# Allegro board buddy_lay_rev1.brd (continued)
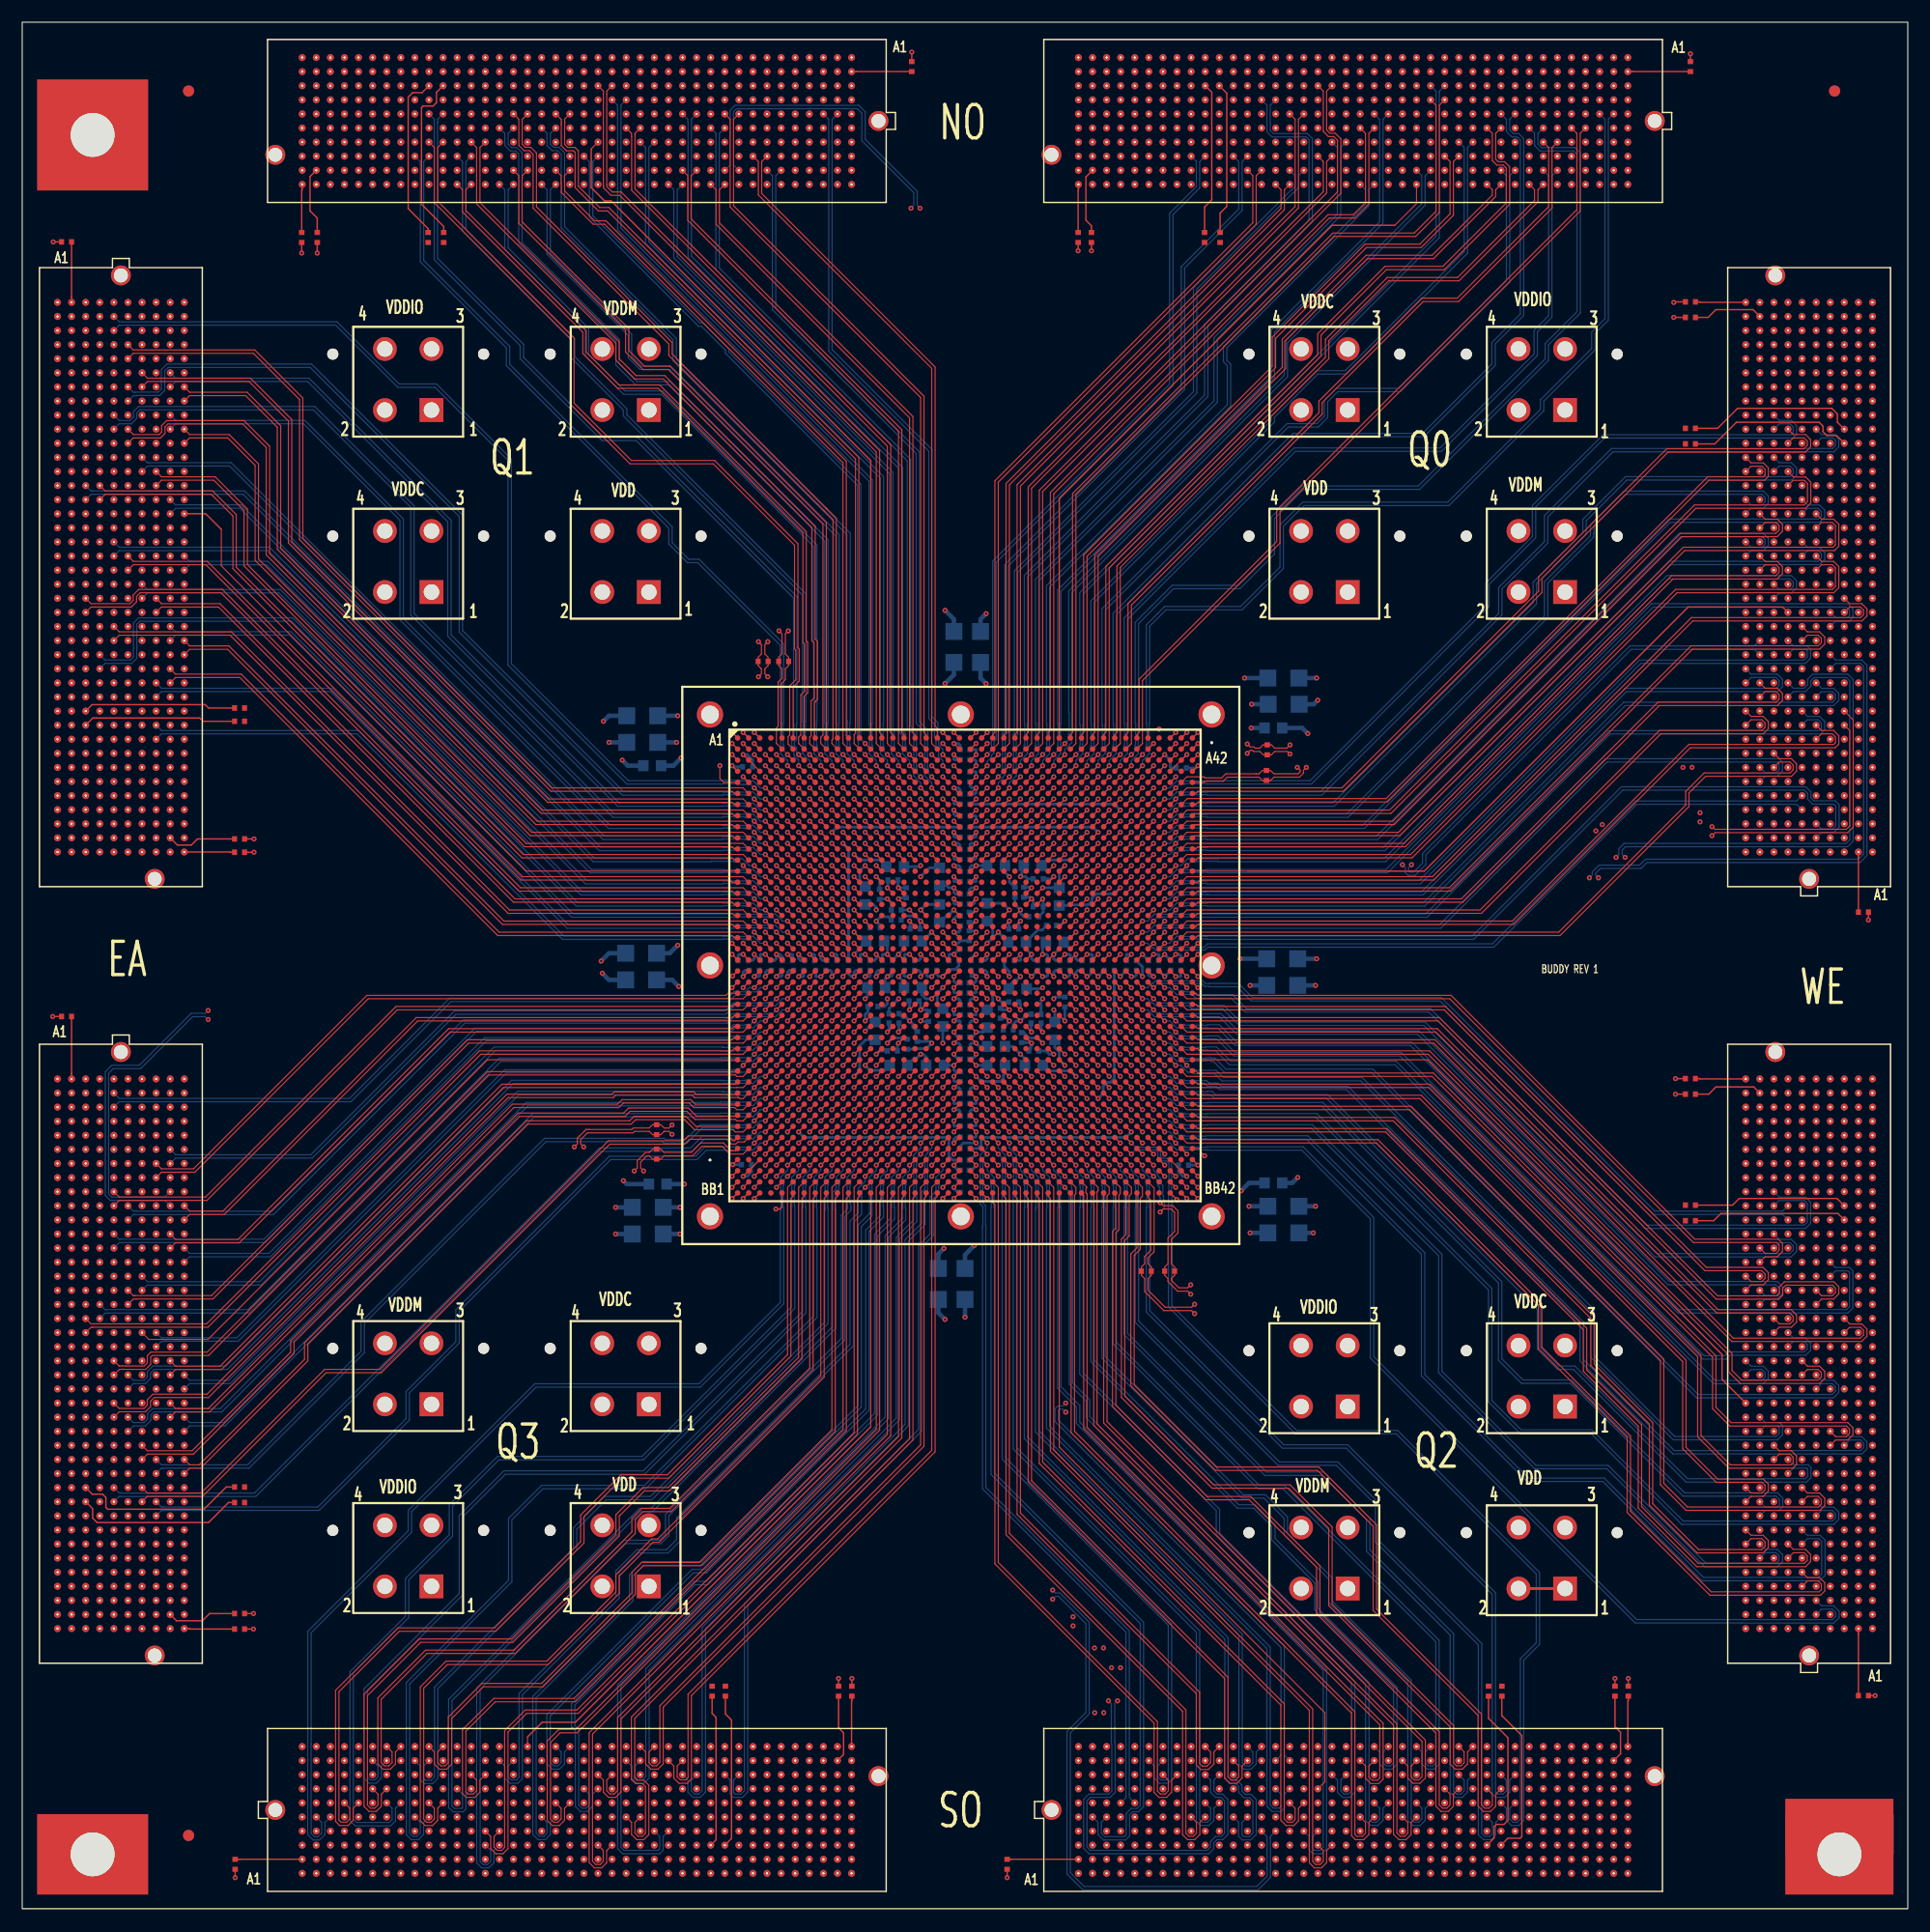
[diagram p0: board, top side]
## Routing (per net, layer and track width the routed paths; a pad name or vN(x,y) marks a point on that pad's centre or on a via; arc(x,y) is an arc through that point) (continued)
WE_N56: length 67.3
  TOP w0.127: U1.W36 v1(100,88)
  SIGNAL_L12 w0.081: J3.K8 155.87,103.63 156.98,103.63 157.44,103.17 157.44,102.51 156.99,102.06 143.33,102.06 129.61,88.33 105.34,88.33 105.3,88.37 100.85,88.37 100.84,88.37 100.8,88.37 100.77,88.33 100.33,88.33 v1(100,88)
WE_N57: length 66.1
  TOP w0.127: U1.W38 v1(102,88)
  BOTTOM w0.102: v1(102,88) 102.32,88.32 102.78,88.32 102.84,88.38 105.49,88.38 105.52,88.35 127.89,88.35 142.87,103.33 158.25,103.33 158.39,103.19 158.39,102.65 158.1,102.36 157.14,102.36 J3.J7
WE_N58: length 64.5
  TOP w0.102: U1.W42 105.8,87.5 106,87.7 138.65,87.7 150.27,99.32 150.27,100.55 151.77,102.04 159.51,102.04 159.97,102.51 159.97,103.17 159.5,103.63 158.41,103.63 J3.H8
WE_N59: length 86.8
  TOP w0.127: U1.Y32 v1(96,87)
  SIGNAL_L12 w0.081: v1(96,87) 96.36,87.36 96.66,87.36 96.68,87.37 98.15,87.37 98.37,87.15 98.37,86.7 98.7,86.37 106.26,86.37 106.78,86.89 107.04,86.89 107.08,86.86 107.98,86.86 108.26,86.57 134.41,86.57 147.33,99.49 164.58,99.49 165.06,99.98 165.06,103.17 164.6,103.63 161.41,103.63 160.95,103.17 160.95,102.68 160.64,102.38 159.66,102.38 J3.G7
WE_N60: length 76
  TOP w0.127: U1.Y34 v1(98,87)
  SIGNAL_L10 w0.081: v1(98,87) 97.67,87.33 97.67,87.79 97.63,87.83 97.63,88.2 97.8,88.37 105.64,88.37 105.68,88.34 139.9,88.34 153.62,102.06 162.06,102.06 162.52,102.52 162.52,103.17 162.05,103.65 160.93,103.65 J3.F8
WE_N61: length 73.6
  TOP w0.127: U1.Y36 v1(100,87)
  SIGNAL_L12 w0.081: 161.74,102.85 162.2,102.38 163.32,102.38 163.79,101.9 163.79,101.25 163.33,100.79 144.9,100.79 141.5,97.39 141.5,97.23 131.75,87.47 105.62,87.47 105.48,87.33 105.34,87.33 105.3,87.37 100.85,87.37 100.84,87.37 100.8,87.37 100.77,87.33 100.33,87.33 v1(100,87)
WE_N62: length 65
  TOP w0.127: U1.Y38 v1(102,87)
  BOTTOM w0.102: v1(102,87) 102.35,86.65 102.7,86.65 102.73,86.62 106.53,86.62 106.87,86.95 132.55,86.95 145.42,99.82 159.98,99.82 J3.F5
WE_N63: length 70.7
  TOP w0.127: U1.Y40 v1(104,87)
  BOTTOM w0.102: v1(104,87) 104.32,87.32 104.78,87.32 104.84,87.38 106.8,87.38 106.83,87.35 130.86,87.35 144.31,100.8 160.67,100.8 160.96,100.51 160.96,99.99 161.41,99.53 163.33,99.53 163.5,99.36 163.5,97.6 163.2,97.29 162.21,97.29 161.74,97.77
WE_N64: length 73.7
  TOP w0.127: U1.AC39 v1(103,83)
  BOTTOM w0.102: v1(103,83) 103.46,83 104.09,82.37 104.54,82.37 104.56,82.38 105.46,82.38 105.8,82.05 109,82.05 110.25,80.8 126.82,80.8 146.32,61.3 160.78,61.3 161.24,61.75 161.24,63.66 160.79,64.12 158.42,64.12 J4.H32
WE_N65: length 68
  TOP w0.127: U1.AC37 v1(101,83)
  BOTTOM w0.102: J4.G31 158.71,62.86 147.19,62.86 127.95,82.1 110.93,82.1 109.65,83.38 107.05,83.38 107.02,83.35 106.7,83.35 106.43,83.62 102.67,83.62 102.65,83.64 102.21,83.64 101.95,83.38 101.84,83.38 101.46,83 v1(101,83)
WE_N66: length 86.8
  TOP w0.127: U1.AC35 v1(99,83)
  SIGNAL_L12 w0.081: J4.F32 160.71,64.36 160.72,64.36 160.93,64.15 163.31,64.15 163.79,63.67 163.79,60.48 163.33,60.02 159.03,60.02 158.74,59.72 158.74,59.23 158.25,58.75 155.09,58.75 154.94,58.6 146.85,58.6 140.58,64.87 140.58,69.95 128.11,82.42 109.19,82.42 108.89,82.12 105.76,82.12 105.55,82.34 105.39,82.34 105.35,82.37 100.8,82.37 100.77,82.34 100.19,82.34 99.9,82.63 99.82,82.63 99.45,83 v1(99,83)
WE_N67: length 78.9
  TOP w0.127: U1.AC33 v1(97,83)
  SIGNAL_L10 w0.081: 161.74,63.34 162.19,62.89 163.19,62.89 163.46,63.15 163.46,64.8 163.19,65.07 146.66,65.07 130.4,81.33 105.73,81.33 105.69,81.37 97.74,81.37 97.37,81.74 97.37,82.37 97.33,82.41 97.33,82.67 v1(97,83)
WE_N68: length 79.9
  TOP w0.127: U1.AC31 v1(95,83)
  SIGNAL_L12 w0.081: v1(95,83) 95.48,83 95.85,82.63 95.9,82.63 96.22,82.31 96.66,82.31 96.73,82.37 98.26,82.37 98.63,82.74 98.63,83.2 98.8,83.37 106.23,83.37 106.66,82.94 107.62,82.94 107.66,82.91 108.96,82.91 110.15,84.1 128.33,84.1 142,70.43 142,64.63 145.37,61.26 156.84,61.26 157.11,60.99 157.11,60.61 156.83,60.33 155.85,60.33 J4.K29
WE_N69: length 65.8
  TOP w0.102: U1.AD41 105,82 128.7,82 150.67,60.03 158.19,60.03 158.39,59.83 158.39,59.34 158.1,59.05 157.14,59.05 J4.J28
WE_N70: length 72.6
  TOP w0.127: U1.AD37 v1(101,82)
  BOTTOM w0.102: J4.H29 158.41,60.32 159.5,60.32 159.97,59.85 159.97,59.21 159.49,58.73 147.22,58.73 126.35,79.6 109.72,79.6 108.22,81.1 105.44,81.1 105.38,81.15 105.38,81.16 105.16,81.38 102.19,81.38 101.95,81.62 101.84,81.62 101.46,82 v1(101,82)
WE_N71: length 79.3
  TOP w0.127: U1.AD35 v1(99,82)
  SIGNAL_L12 w0.081: J4.G28 159.66,59.06 160.94,59.06 161.28,58.73 161.28,57.86 160.87,57.45 146.65,57.45 139.31,64.79 139.31,69.37 127.35,81.34 105.38,81.34 105.34,81.37 100.8,81.37 100.77,81.34 100.19,81.34 99.9,81.63 99.82,81.63 99.45,82 v1(99,82)
WE_N72: length 77.3
  TOP w0.127: U1.AD33 v1(97,82)
  SIGNAL_L3 w0.081: J4.F29 160.93,60.33 162.03,60.33 162.22,60.52 162.22,60.98 161.91,61.29 149.03,61.29 128.97,81.35 105.64,81.35 105.57,81.27 105.26,81.27 105.16,81.37 104.63,81.37 104.62,81.38 104.27,81.38 104.26,81.37 103.74,81.37 103.73,81.38 103.27,81.38 103.26,81.37 102.74,81.37 102.73,81.38 102.27,81.38 102.26,81.37 101.74,81.37 101.73,81.38 101.27,81.38 101.26,81.37 100.74,81.37 100.73,81.38 100.27,81.38 100.26,81.37 99.74,81.37 99.73,81.38 99.27,81.38 99.26,81.37 98.81,81.37 98.78,81.34 98.19,81.34 97.93,81.6 97.88,81.6 97.85,81.63 97.85,81.63 97.63,81.85 97.63,81.85 97.48,82 v1(97,82)
WE_N73: length 100.2
  TOP w0.127: U1.AD31 v1(95,82)
  SIGNAL_L3 w0.081: 161.74,59.53 161.26,59.06 160.14,59.06 159.68,58.59 159.68,57.94 160.14,57.48 163.33,57.48 163.79,57.94 163.79,76.1 155.8,84.1 109.71,84.1 109.67,84.06 109.36,84.06 108.65,83.35 106.8,83.35 106.52,83.63 95.74,83.63 95.37,83.26 95.37,82.55 95.33,82.51 95.33,82.33 v1(95,82)
WE_N74: length 65.1
  TOP w0.102: U1.AE41 105,81 128.2,81 151.71,57.49 156.82,57.49 157.12,57.19 157.12,56.8 156.83,56.51 155.87,56.51 J4.K26
WE_N75: length 70.9
  TOP w0.127: U1.AE37 v1(101,81)
  BOTTOM w0.102: J4.J25 157.14,55.24 158.1,55.24 158.39,55.53 158.39,55.92 158.09,56.22 148.38,56.22 125.8,78.8 109.5,78.8 107.95,80.35 105.52,80.35 105.49,80.38 102.56,80.38 102.54,80.37 102.09,80.37 101.46,81 v1(101,81)
WE_N76: length 78.2
  TOP w0.127: U1.AE35 v1(99,81)
  SIGNAL_L12 w0.081: v1(99,81) 99.45,81 99.82,80.63 99.9,80.63 100.19,80.34 100.77,80.34 100.8,80.37 105.3,80.37 105.34,80.34 126.45,80.34 138.12,68.67 138.12,64.73 147.94,54.91 159.66,54.91 159.98,55.24 159.98,56.05 159.51,56.52 158.39,56.52 J4.H26
WE_N77: length 80.1
  TOP w0.127: U1.AE33 v1(97,81)
  SIGNAL_L3 w0.081: v1(97,81) 97.48,81 97.63,80.85 97.63,80.85 97.85,80.63 97.85,80.63 97.88,80.6 97.93,80.6 98.19,80.34 98.78,80.34 98.81,80.37 100.11,80.37 100.11,80.37 100.15,80.37 100.23,80.3 100.33,80.3 100.33,80.3 100.6,80.3 100.67,80.37 100.72,80.37 100.72,80.37 102.29,80.37 102.32,80.35 102.83,80.35 102.85,80.37 103,80.37 103,80.37 103.47,80.37 103.48,80.38 103.73,80.38 103.74,80.37 104.26,80.37 104.27,80.38 104.73,80.38 104.74,80.37 105.43,80.37 105.46,80.35 128.16,80.35 128.66,79.85 128.98,79.85 153.9,54.92 158.1,54.92 158.38,54.64 158.38,54.02 158.73,53.67 160.79,53.67 161.25,54.13 161.25,54.78 160.78,55.25 159.66,55.25 J4.G25
WE_N78: length 80.2
  TOP w0.127: U1.AE31 v1(95,81)
  SIGNAL_L5 w0.081: v1(95,81) 95.48,81 96.13,80.35 96.66,80.35 96.68,80.37 105.29,80.37 105.33,80.34 129.3,80.34 152.18,57.45 161.92,57.45 162.19,57.18 162.19,56.8 161.91,56.52 160.93,56.52 J4.F26
WE_N79: length 73
  TOP w0.102: 161.74,55.72 162.22,55.24 163.18,55.24 163.47,55.53 163.47,55.92 163.2,56.19 159,56.19 158.73,55.92 158.73,55.3 158.36,54.92 152.73,54.92 127.65,80 105,80 U1.AF41
WE_N80: length 79.6
  TOP w0.127: U1.AF39 v1(103,80)
  BOTTOM w0.102: v1(103,80) 103.46,80 104.09,79.37 104.54,79.37 104.56,79.38 106.87,79.38 106.9,79.35 107.8,79.35 109.35,77.8 125.15,77.8 149.27,53.68 164.6,53.68 165.05,54.13 165.05,57.47 164.74,57.78 163.49,57.78 J4.D27
WE_N81: length 87.2
  TOP w0.127: U1.AF35 v1(99,80)
  SIGNAL_L12 w0.081: v1(99,80) 99.45,80 99.82,79.63 99.9,79.63 100.19,79.34 100.77,79.34 100.8,79.37 105.3,79.37 105.34,79.34 125.79,79.34 136.91,68.22 136.91,64.44 147.71,53.64 166.01,53.64 166.36,53.99 166.36,57.36 165.92,57.79 164.74,57.79 J4.C27
WE_N82: length 74.3
  TOP w0.127: U1.AF33 v1(97,80)
  SIGNAL_L3 w0.081: J4.K23 155.84,52.73 156.84,52.73 157.11,52.99 157.11,53.37 156.82,53.67 152.87,53.67 127.2,79.33 105.38,79.33 105.35,79.37 98.82,79.37 98.78,79.33 98.2,79.33 97.93,79.6 97.88,79.6 97.85,79.63 97.85,79.63 97.63,79.85 97.63,79.85 97.48,80 v1(97,80)
WE_N83: length 78.1
  TOP w0.127: U1.AF31 v1(95,80)
  SIGNAL_L5 w0.081: J4.J22 157.12,51.44 157.24,51.44 157.25,51.46 158.11,51.46 158.38,51.72 158.38,52.1 158.09,52.4 153.9,52.4 126.96,79.34 105.33,79.34 105.29,79.37 96.68,79.37 96.66,79.35 96.13,79.35 95.48,80 v1(95,80)
WE_N84: length 68.4
  TOP w0.102: J4.H23 158.41,52.7 159.37,52.7 159.66,52.99 159.66,53.38 159.36,53.68 152.77,53.68 127.45,79 105,79 U1.AG41
WE_N85: length 74.6
  TOP w0.127: U1.AG39 v1(103,79)
  BOTTOM w0.102: J4.G22 159.68,51.43 160.77,51.43 161.24,50.96 161.24,50.32 160.79,49.87 153.97,49.87 153.62,49.52 151.53,49.52 124.2,76.85 109.22,76.85 107.72,78.35 106.83,78.35 106.8,78.38 104.56,78.38 104.54,78.37 104.09,78.37 103.46,79 v1(103,79)
WE_N86: length 81.5
  TOP w0.127: U1.AG35 v1(99,79)
  SIGNAL_L12 w0.081: J4.F23 160.93,52.71 162.05,52.71 162.52,52.24 162.52,51.59 162.06,51.12 148.01,51.12 135.81,63.32 135.81,67.43 124.9,78.34 105.34,78.34 105.3,78.37 100.8,78.37 100.77,78.34 100.19,78.34 99.9,78.63 99.82,78.63 99.45,79 v1(99,79)
WE_N87: length 82.9
  TOP w0.127: U1.AG33 v1(97,79)
  SIGNAL_L3 w0.081: 161.74,51.91 162.19,51.46 163.31,51.46 163.79,50.97 163.79,50.32 163.31,49.83 153.57,49.83 125.07,78.33 105.42,78.33 105.38,78.37 98.82,78.37 98.78,78.33 98.2,78.33 97.93,78.6 97.88,78.6 97.85,78.63 97.85,78.63 97.63,78.85 97.63,78.85 97.48,79 v1(97,79)
WE_N88: length 84.6
  TOP w0.127: U1.AG31 v1(95,79)
  SIGNAL_L10 w0.081: v1(95,79) 95.48,79 95.85,78.63 95.9,78.63 96.21,78.32 96.8,78.32 96.85,78.37 105.37,78.37 105.4,78.33 126.5,78.33 153.73,51.1 164.46,51.1 164.73,50.83 164.73,50.45 164.45,50.17 163.47,50.17 J4.D21
WE_N89: length 76.4
  TOP w0.102: U1.AH41 105,78 127.25,78 154.14,51.11 165.84,51.11 166.32,51.59 166.32,52.23 165.86,52.69 164.77,52.69 J4.C23
WE_N90: length 71.2
  TOP w0.127: U1.AH39 v1(103,78)
  BOTTOM w0.102: J4.K20 155.87,48.89 156.96,48.89 157.43,48.42 157.43,47.78 156.95,47.3 152.51,47.3 123.76,76.05 108.85,76.05 107.55,77.35 106.83,77.35 106.83,77.38 104.56,77.38 104.54,77.37 104.09,77.37 103.46,78 v1(103,78)
WE_N91: length 76.5
  TOP w0.127: U1.AH37 v1(101,78)
  SIGNAL_L12 w0.081: v1(101,78) 101.45,78 101.82,77.63 101.9,77.63 102.19,77.34 102.77,77.34 102.8,77.37 107.3,77.37 107.34,77.34 124.44,77.34 134.95,66.83 134.95,60.75 142.48,53.22 143.78,53.22 148.44,48.56 158.11,48.56 158.4,48.28 158.4,47.85 158.18,47.63 157.12,47.63 J4.J19
WE_N92: length 79.7
  TOP w0.127: U1.AH33 v1(97,78)
  SIGNAL_L3 w0.081: v1(97,78) 97.48,78 97.63,77.85 97.63,77.85 97.85,77.63 97.85,77.63 97.88,77.6 97.93,77.6 98.2,77.33 98.78,77.33 98.82,77.37 105.35,77.37 105.38,77.33 123.89,77.33 153.9,47.32 159.52,47.32 159.98,47.78 159.98,48.43 159.52,48.89 158.41,48.89 J4.H20
WE_N93: length 81.4
  TOP w0.127: U1.AH31 v1(95,78)
  SIGNAL_L5 w0.081: v1(95,78) 95.48,78 96.13,77.35 96.66,77.35 96.68,77.37 105.29,77.37 105.33,77.34 126.31,77.34 155.06,48.59 160.63,48.59 160.92,48.29 160.92,47.91 160.63,47.62 159.93,47.62 159.92,47.63 159.66,47.63 J4.G19
WE_N94: length 74.7
  TOP w0.102: U1.AJ41 105,77 126.75,77 153.85,49.9 153.85,48.38 154.89,47.33 162.06,47.33 162.51,47.78 162.51,48.42 162.04,48.89 160.95,48.89 J4.F20
WE_N95: length 77.7
  TOP w0.127: U1.AJ39 v1(103,77)
  BOTTOM w0.102: v1(103,77) 103.46,77 104.09,76.37 104.54,76.37 104.56,76.38 106.8,76.38 106.87,76.45 107.07,76.45 107.17,76.35 107.4,76.35 108.4,75.35 121.65,75.35 150.97,46.03 163.3,46.03 163.78,46.51 163.78,47.15 163.31,47.62 162.22,47.62 161.74,48.1
WE_N96: length 86.2
  TOP w0.127: U1.AJ37 v1(101,77)
  SIGNAL_L12 w0.081: v1(101,77) 101.45,77 101.82,76.63 101.9,76.63 102.19,76.34 102.77,76.34 102.8,76.37 107.3,76.37 107.34,76.34 123.78,76.34 133.95,66.17 133.95,59.05 141,52 141,49.9 144.85,46.05 160.79,46.05 161.25,46.51 161.25,47 161.55,47.29 164.62,47.29 164.73,47.18 164.73,46.49 164.6,46.36 163.47,46.36 J4.D18
WE_N97: length 87.2
  TOP w0.127: U1.AJ32 v1(96,77)
  SIGNAL_L3 w0.081: J4.C19 164.74,47.63 165.86,47.63 166.35,47.14 166.35,46.52 165.85,46.02 153.64,46.02 123.33,76.33 105.38,76.33 105.34,76.37 97.82,76.37 97.78,76.33 97.2,76.33 96.93,76.6 96.88,76.6 96.85,76.63 96.85,76.63 96.63,76.85 96.63,76.85 96.48,77 v1(96,77)
WE_N98: length 64
  TOP w0.102: U1.AK42 126.7,76.5
  TOP w0.127: 126.7,76.5 153.25,49.95 153.25,47.7 J4.K17
WE_N99: length 75.2
  TOP w0.127: U1.AK40 v1(104,76)
  BOTTOM w0.102: J4.J16 157.14,43.81 158.42,43.81 158.7,43.53 158.7,42.71 158.25,42.25 148.86,42.25 141.4,49.71 141.4,53.88 120.67,74.6 108.15,74.6 107.5,75.25 105.69,75.25 105.56,75.37 105.09,75.37 104.46,76 v1(104,76)
WE_N100: length 81.7
  TOP w0.127: U1.AK38 v1(102,76)
  SIGNAL_L12 w0.081: v1(102,76) 102.45,76 102.82,75.63 102.9,75.63 103.19,75.34 103.77,75.34 103.8,75.37 108.3,75.37 108.34,75.34 123,75.34 133.07,65.27 133.07,57.23 136.96,53.34 136.96,50.7 139.66,48 140.85,48 145.37,43.48 159.5,43.48 159.98,43.97 159.98,44.62 159.51,45.09 158.39,45.09 J4.H17
WE_N101: length 78.9
  TOP w0.127: U1.AK36 v1(100,76)
  SIGNAL_L3 w0.081: J4.G16 159.68,43.81 160.63,43.81 160.92,44.1 160.92,44.48 160.64,44.77 150.36,44.77 148.95,46.18 148.95,49.2 122.82,75.33 108.38,75.33 108.35,75.37 101.82,75.37 101.78,75.33 101.2,75.33 100.93,75.6 100.88,75.6 100.85,75.63 100.85,75.63 100.63,75.85 100.63,75.85 100.48,76 v1(100,76)
WE_N102: length 83.2
  TOP w0.127: U1.AK33 v1(97,76)
  SIGNAL_L10 w0.081: J4.F17 160.93,45.09 162.05,45.09 162.52,44.62 162.52,43.97 162.06,43.5 153.9,43.5 123.06,74.34 105.64,74.34 105.6,74.37 98.74,74.37 98.37,74.74 98.37,75.15 97.97,75.55 97.93,75.55 97.48,76 v1(97,76)
WE_N103: length 84.7
  TOP w0.127: U1.AK31 v1(95,76)
  SIGNAL_L5 w0.081: v1(95,76) 95.48,76 96.13,75.35 96.66,75.35 96.68,75.37 105.29,75.37 105.33,75.34 122.26,75.34 143.53,54.07 152.82,44.78 163.17,44.78 163.46,44.48 163.46,44.1 163.18,43.82 162.2,43.82 161.74,44.29
WE_N104: length 78.8
  TOP w0.102: J4.D15 163.49,42.54 164.45,42.54 164.74,42.83 164.74,43.22 164.47,43.5 153.95,43.5 152.4,45.05 152.4,49.7 127.1,75 105,75 U1.AL41
WE_N105: length 83.4
  TOP w0.127: U1.AL39 v1(103,75)
  BOTTOM w0.102: J4.C15 164.76,42.54 165.85,42.54 166.32,42.07 166.32,41.43 165.87,40.98 148.82,40.98 140.45,49.35 140.45,52.75 119.38,73.82 107.95,73.82 107.67,74.1 106.87,74.1 106.59,74.38 104.56,74.38 104.54,74.37 104.09,74.37 103.46,75 v1(103,75)
WE_N106: length 78.2
  TOP w0.127: U1.AL37 v1(101,75)
  SIGNAL_L12 w0.081: v1(101,75) 101.45,75 101.82,74.63 101.9,74.63 102.19,74.34 102.77,74.34 102.8,74.37 107.3,74.37 107.34,74.34 120.41,74.34 131.92,62.83 131.92,55.68 136.17,51.43 136.17,49.61 138.88,46.9 140.08,46.9 144.76,42.22 156.84,42.22 157.11,41.94 157.11,41.56 156.83,41.28 155.85,41.28 J4.K14
WE_N107: length 79.7
  TOP w0.127: U1.AL35 v1(99,75)
  SIGNAL_L3 w0.081: v1(99,75) 99.48,75 99.63,74.85 99.63,74.85 99.85,74.63 99.85,74.63 99.88,74.6 99.93,74.6 100.2,74.33 100.78,74.33 100.82,74.37 107.39,74.37 107.43,74.33 122.37,74.33 147.2,49.5 147.2,44.44 150.7,40.94 158.11,40.94 158.38,40.67 158.38,40.29 158.1,40.01 157.12,40.01 J4.J13
WE_N108: length 77.5
  TOP w0.102: U1.AM41 105,74 126.8,74 151.05,49.75 151.05,42.52 153.87,39.7 159.63,39.7 159.97,40.04 159.97,40.8 159.5,41.27 158.41,41.27 J4.H14
WE_N109: length 79.3
  TOP w0.127: U1.AM39 v1(103,74)
  BOTTOM w0.102: J4.G13 159.68,40 161.03,40 161.27,39.76 161.27,38.84 160.87,38.44 155.06,38.44 155.06,38.45 150,38.45 139.85,48.6 138.42,48.6 136.6,50.42 136.6,54.02 117.57,73.05 107.45,73.05 107.15,73.35 106.9,73.35 106.87,73.38 104.56,73.38 104.54,73.37 104.09,73.37 103.46,74 v1(103,74)
WE_N110: length 86.8
  TOP w0.127: U1.AM37 v1(101,74)
  SIGNAL_L12 w0.081: J4.F14 160.93,41.28 162.05,41.28 162.52,40.81 162.52,40.32 162.52,40.04 162.15,39.67 141.06,39.67 137.07,43.66 137.07,46.03 130.72,52.38 130.72,61.96 119.35,73.34 107.38,73.34 107.34,73.37 102.8,73.37 102.77,73.34 102.19,73.34 101.9,73.63 101.82,73.63 101.45,74 v1(101,74)
WE_N111: length 85.9
  TOP w0.127: U1.AM35 v1(99,74)
  SIGNAL_L3 w0.081: 161.74,40.48 162.2,40.01 163.34,40.01 163.82,39.54 163.82,38.85 163.37,38.4 151.51,38.4 141.35,48.56 141.35,52.32 120.34,73.33 107.38,73.33 107.35,73.37 100.82,73.37 100.78,73.33 100.2,73.33 99.93,73.6 99.88,73.6 99.85,73.63 99.85,73.63 99.63,73.85 99.63,73.85 99.48,74 v1(99,74)
WE_N112: length 74.3
  TOP w0.102: J4.K11 155.87,37.46 156.83,37.46 157.12,37.75 157.12,38.14 156.85,38.41 152.74,38.41 149.7,41.45 149.7,49.3 126,73 105,73 U1.AN41
WE_N113: length 77.8
  TOP w0.127: U1.AN39 v1(103,73)
  BOTTOM w0.102: J4.J10 157.14,36.19 158.26,36.19 158.42,36.35 158.42,36.88 158.13,37.17 149.75,37.17 139.57,47.35 135.17,47.35 133.1,49.42 133.1,56.39 117.14,72.35 107.1,72.35 107.07,72.38 106.93,72.38 106.9,72.35 106.83,72.35 106.8,72.38 104.56,72.38 104.54,72.37 104.09,72.37 103.46,73 v1(103,73)
WE_N114: length 84.1
  TOP w0.127: U1.AN37 v1(101,73)
  SIGNAL_L12 w0.081: J4.H11 158.39,37.47 159.11,37.47 159.12,37.49 159.38,37.49 159.65,37.75 159.65,38.13 159.37,38.42 138.38,38.42 128.02,48.78 128.02,62.06 117.75,72.34 110.36,72.34 110.29,72.41 107.45,72.41 107.41,72.37 102.8,72.37 102.77,72.34 102.19,72.34 101.9,72.63 101.82,72.63 101.45,73 v1(101,73)
WE_N115: length 84.7
  TOP w0.127: U1.AN35 v1(99,73)
  SIGNAL_L3 w0.081: J4.G10 159.66,36.2 160.78,36.2 161.25,35.73 161.25,35.06 160.79,34.59 152.56,34.59 136.6,50.55 136.6,54.7 118.97,72.33 107.38,72.33 107.35,72.37 100.82,72.37 100.78,72.33 100.2,72.33 99.93,72.6 99.88,72.6 99.85,72.63 99.85,72.63 99.63,72.85 99.63,72.85 99.48,73 v1(99,73)
WE_N116: length 83
  TOP w0.102: U1.AP41 105,72 125.1,72 147.7,49.4 147.7,38.21 150.01,35.9 162.08,35.9 162.51,36.33 162.51,36.99 162.04,37.46 160.95,37.46 J4.F11
WE_N117: length 86.1
  TOP w0.127: U1.AP39 v1(103,72)
  BOTTOM w0.102: 161.74,36.67 162.22,36.19 163.31,36.19 163.78,35.72 163.78,35.08 163.33,34.63 149.62,34.63 141.4,42.85 135.02,42.85 132.2,45.67 132.2,55.76 116.6,71.35 106.83,71.35 106.8,71.38 104.56,71.38 104.54,71.37 104.09,71.37 103.46,72 v1(103,72)
WE_N118: length 89.7
  TOP w0.127: U1.AP37 v1(101,72)
  SIGNAL_L12 w0.081: J4.D9 163.47,34.93 164.45,34.93 164.73,35.21 164.73,35.72 164.56,35.89 154.61,35.89 153.2,37.3 137.45,37.3 126.2,48.55 126.2,61.7 116.56,71.34 107.43,71.34 107.39,71.37 102.8,71.37 102.77,71.34 102.19,71.34 101.9,71.63 101.82,71.63 101.45,72 v1(101,72)
WE_N119: length 100.1
  TOP w0.127: U1.AP35 v1(99,72)
  SIGNAL_L12 w0.081: J4.C11 164.74,37.47 165.89,37.47 166.36,37.01 166.36,31.29 165.85,30.78 135.85,30.78 132.55,34.08 132.55,35.15 117.32,50.38 117.32,58.26 107.25,68.33 105.27,68.33 105.23,68.37 100.78,68.37 100.78,68.37 100.74,68.37 100.37,68.74 100.37,68.78 100.37,68.78 100.37,69.15 100.15,69.37 99.78,69.37 99.78,69.37 99.74,69.37 99.37,69.74 99.37,69.78 99.37,69.78 99.37,71.22 99.33,71.26 99.33,71.67 v1(99,72)
WE_N120: length 79.3
  TOP w0.102: U1.AR41 105,71 123.6,71 141.43,53.17 141.43,48.94 146.7,43.67 146.7,36.37 151.01,32.06 156.96,32.06 157.43,32.53 157.43,33.18 156.96,33.65 155.87,33.65 J4.K8
WE_N121: length 82.5
  TOP w0.127: U1.AR39 v1(103,71)
  BOTTOM w0.102: v1(103,71) 103.46,71 104.09,70.37 104.54,70.37 104.56,70.38 104.67,70.38 104.74,70.31 106.58,70.31 106.96,70.31 106.99,70.35 116.19,70.35 127.7,58.84 127.7,48.3 136.36,39.64 142.86,39.64 151.68,30.82 158.25,30.82 158.7,31.27 158.7,31.91 158.23,32.38 157.14,32.38 J4.J7
WE_N122: length 84.6
  TOP w0.127: U1.AR37 v1(101,71)
  SIGNAL_L3 w0.081: v1(101,71) 101.48,71 101.63,70.85 101.63,70.85 101.85,70.63 101.85,70.63 101.88,70.6 101.93,70.6 102.2,70.33 102.78,70.33 102.82,70.37 109.38,70.37 109.41,70.33 116.47,70.33 132.42,54.38 132.42,45.08 140.83,36.67 146.03,36.67 150.62,32.08 159.54,32.08 159.98,32.52 159.98,33.19 159.51,33.66 158.39,33.66 J4.H8
WE_N123: length 83
  TOP w0.102: U1.AT41 105,70 122.92,70 140.75,52.17 140.75,48.42 145.7,43.47 145.7,36.1 150.98,30.82 160.79,30.82 161.24,31.27 161.24,31.91 160.77,32.38 159.68,32.38 J4.G7
WE_N124: length 89.3
  TOP w0.127: U1.AT39 v1(103,70)
  BOTTOM w0.102: J4.F8 160.95,33.65 162.1,33.65 162.54,33.21 162.54,30.03 162.05,29.55 151.45,29.55 142.5,38.5 135.67,38.5 126.15,48.02 126.15,58.98 115.77,69.35 106.77,69.35 106.74,69.38 104.56,69.38 104.54,69.37 104.09,69.37 103.46,70 v1(103,70)
WE_N125: length 88.9
  TOP w0.127: U1.AT37 v1(101,70)
  SIGNAL_L12 w0.081: v1(101,70) 101.45,70 101.82,69.63 101.9,69.63 102.19,69.34 102.77,69.34 102.8,69.37 107.35,69.37 107.39,69.34 115.2,69.34 121.72,62.81 121.72,49.43 134.88,36.27 150.56,36.27 153.51,33.32 163.26,33.32 163.47,33.11 163.47,32.54 163.34,32.41 162.19,32.41 161.74,32.86
WE_N126: length 84.7
  TOP w0.102: U1.AU41 105,69 122.1,69 136.7,54.4 136.7,50.47 144.7,42.47 144.7,35.7 152.15,28.25 162.13,28.25 162.51,28.63 162.51,29.37 162.04,29.84 160.95,29.84 J4.F5
WE_N127: length 90.1
  TOP w0.127: U1.AU39 v1(103,69)
  BOTTOM w0.102: 161.74,27.78 162.22,27.3 163.31,27.3 163.81,26.81 163.81,26.22 163.33,25.74 155.06,25.74 155.06,25.75 145.42,25.75 121.55,49.62 121.55,62.16 115.36,68.35 107.07,68.35 107.04,68.38 106.89,68.38 106.86,68.35 106.83,68.35 106.8,68.38 104.56,68.38 104.54,68.37 104.09,68.37 103.46,69 v1(103,69)
WE_P0: length 76
  TOP w0.127: U1.F39 v1(103,101)
  BOTTOM w0.102: J3.H31 158.41,133.81 159.37,133.81 159.66,133.52 159.66,132.98 159.52,132.83 142.53,132.83 136.15,126.45 136.15,123.67 131.95,119.47 131.95,117.5 116.1,101.65 106.83,101.65 106.8,101.62 104.56,101.62 104.54,101.63 104.09,101.63 103.46,101 v1(103,101)
WE_P1: length 72.6
  TOP w0.102: U1.F41 105,101 118.98,101 136.71,118.73 136.71,120.01 148.26,131.56 160.63,131.56 160.93,131.86 160.93,132.25 160.64,132.54 159.68,132.54 J3.G30
WE_P2: length 80.2
  TOP w0.127: U1.G37 v1(101,100)
  SIGNAL_L12 w0.081: J3.F31 160.93,133.8 162.05,133.8 162.52,134.27 162.52,134.92 162.05,135.4 148.16,135.4 133.31,120.55 129.05,120.55 114.07,105.57 114.01,105.57 109.1,100.66 107.34,100.66 107.3,100.63 102.8,100.63 102.77,100.66 102.19,100.66 101.9,100.37 101.82,100.37 101.45,100 v1(101,100)
WE_P3: length 79.6
  TOP w0.127: U1.G39 v1(103,100)
  BOTTOM w0.102: 161.74,132.06 162.22,132.54 163.24,132.54 163.47,132.31 163.47,131.86 163.2,131.59 143.29,131.59 137.24,125.54 137.24,123.19 133.11,119.06 133.11,116.72 117.04,100.65 106.83,100.65 106.8,100.62 104.56,100.62 104.54,100.63 104.09,100.63 103.46,100 v1(103,100)
WE_P4: length 67.5
  TOP w0.102: U1.G41 105.04,100.04 122.96,100.04 151.95,129.03 156.96,129.03 157.12,129.19 157.12,129.71 156.85,129.98 155.85,129.98 J3.K28
WE_P5: length 91.3
  TOP w0.127: U1.H37 v1(101,99)
  SIGNAL_L3 w0.081: J3.J27 157.11,128.7 157.31,128.69 157.72,128.69 157.74,128.7 160.69,128.7 160.95,128.44 160.95,120.3 161.41,119.84 163.3,119.84 163.49,119.65 163.49,112.84 163.18,112.54 144.57,112.54 133.58,101.55 114.45,101.55 112.57,99.67 109.41,99.67 109.38,99.63 102.82,99.63 102.78,99.67 102.2,99.67 101.93,99.4 101.88,99.4 101.85,99.37 101.85,99.37 101.63,99.15 101.63,99.15 101.48,99 v1(101,99)
WE_P6: length 74.2
  TOP w0.127: U1.H39 v1(103,99)
  BOTTOM w0.102: J3.H28 158.41,130 159.37,130 159.66,129.71 159.66,129.32 159.39,129.05 144.55,129.05 140.7,125.2 140.7,124.01 136.22,119.53 136.22,117.7 118.17,99.65 106.83,99.65 106.8,99.62 104.56,99.62 104.54,99.63 104.09,99.63 103.46,99 v1(103,99)
WE_P7: length 71.9
  TOP w0.102: J3.G27 159.66,128.71 160.66,128.71 160.95,128.42 160.95,126.8 160.65,126.5 150.77,126.5 123.27,99 105,99 U1.H41
WE_P8: length 82.7
  TOP w0.127: U1.J35 v1(99,98)
  SIGNAL_L5 w0.081: v1(99,98) 99.33,98.33 99.33,98.73 99.37,98.77 99.37,100.26 99.74,100.63 105.52,100.63 105.55,100.66 124.26,100.66 154.6,131 154.6,131.11 155.06,131.57 155.17,131.57 155.18,131.58 162.19,131.58 162.55,131.22 162.55,130.48 162.04,129.97 160.92,129.97 J3.F28
WE_P9: length 78.5
  TOP w0.127: U1.J37 v1(101,98)
  SIGNAL_L5 w0.081: 161.74,128.25 162.19,128.7 163.19,128.7 163.46,128.44 163.46,128.06 163.19,127.79 152.84,127.79 124.71,99.66 105.65,99.66 105.62,99.63 101.74,99.63 101.37,99.26 101.37,98.68 101.33,98.64 101.33,98.33 v1(101,98)
WE_P10: length 73.1
  TOP w0.127: U1.J39 v1(103,98)
  BOTTOM w0.102: J3.K25 155.87,126.19 156.96,126.19 157.43,126.66 157.43,127.3 156.98,127.75 144.42,127.75 141.4,124.73 141.4,124.03 141.38,124.01 141.38,123.73 137.24,119.58 137.24,116.48 119.41,98.65 106.83,98.65 106.8,98.62 104.56,98.62 104.54,98.63 104.09,98.63 103.46,98 v1(103,98)
WE_P11: length 67.4
  TOP w0.102: U1.J41 105,98 123.57,98 149.51,123.94 158.09,123.94 158.39,124.24 158.39,124.63 158.12,124.9 157.12,124.9 J3.J24
WE_P12: length 108.8
  TOP w0.127: U1.K35 v1(99,97)
  SIGNAL_L3 w0.081: J3.H25 158.4,126.18 159.51,126.18 160.01,126.67 160.01,127.38 159.63,127.76 156.4,127.76 156.2,127.97 156.2,129.83 156.34,129.97 161.92,129.97 162.19,129.71 162.19,121.58 162.69,121.08 164.46,121.08 164.73,120.82 164.73,110.28 164.44,109.98 144.53,109.98 134.25,99.7 115.05,99.7 113.02,97.67 107.38,97.67 107.35,97.63 100.82,97.63 100.78,97.67 100.2,97.67 99.93,97.4 99.88,97.4 99.85,97.37 99.85,97.37 99.63,97.15 99.63,97.15 99.48,97 v1(99,97)